# Altium PCB MEGAphone.PcbDoc (part 5 of 5)
Units mm, origin at the board's own origin, x right, y up, seen from the top; angles counter-clockwise.
Board outline 213.75 x 99.74 mm, 4 copper layers (Component Side, Signal Layer 1, Signal Layer 2, Bottom Layer), stack 1.49 mm thick; 321 components, 321 nets, 1903 pads, 1858 vias.
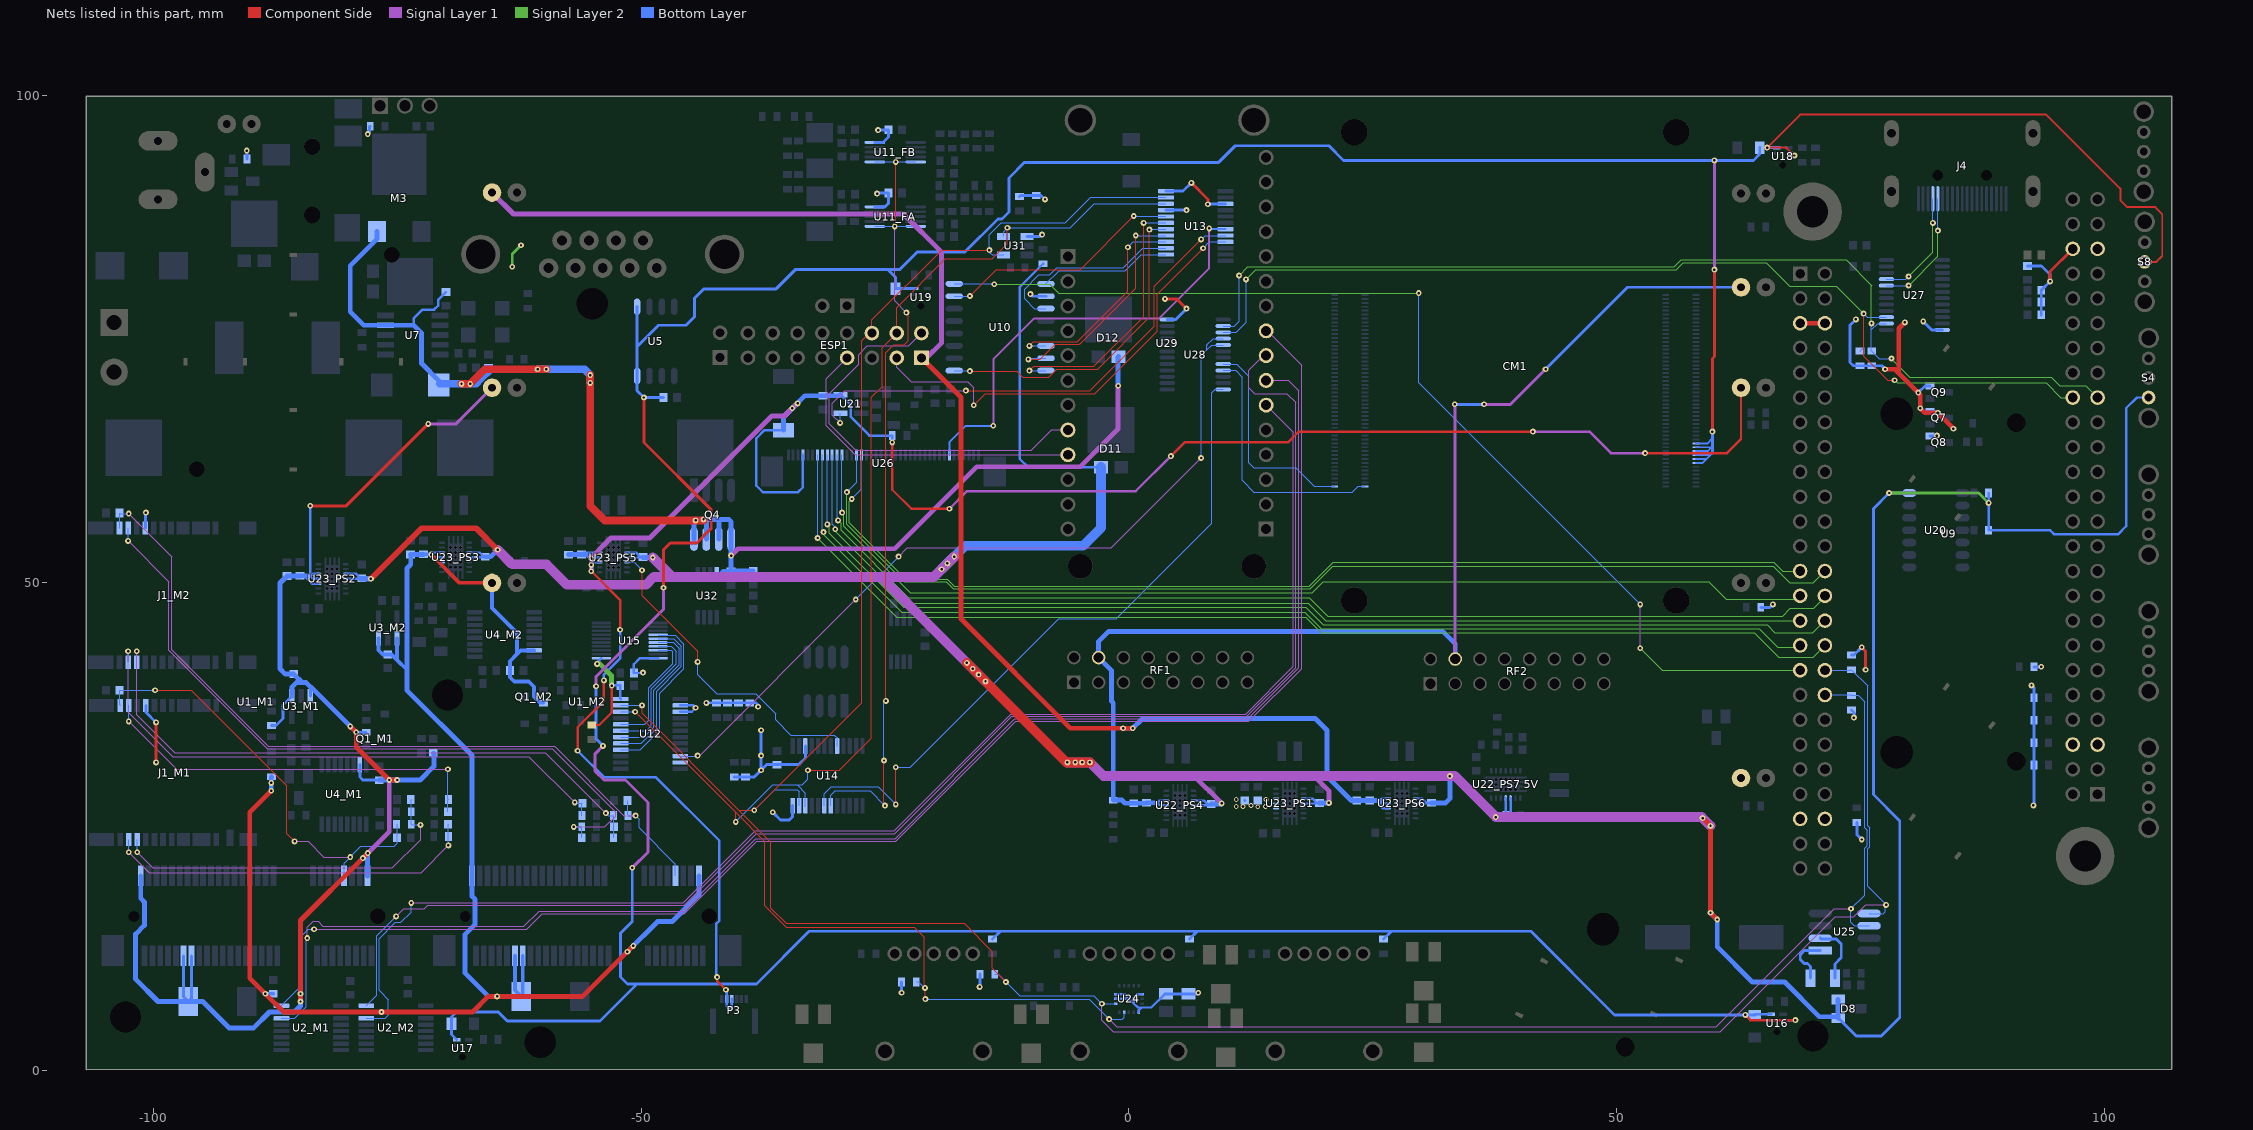
[diagram p7: the nets of this part, all layers, seen from the top]

## Via types
v1: diameter 0.5, hole 0.3, Component Side to Bottom Layer, tented both sides, 1255 vias
v2: diameter 0.6, hole 0.25, Component Side to Bottom Layer, tented both sides, 517 vias
v3: diameter 0.6, hole 0.25, Component Side to Bottom Layer, 61 vias
v4: diameter 0.63, hole 0.33, Component Side to Bottom Layer, 25 vias

## Nets (pads, with @x,y where several pads share a name; then routed paths per layer and width w, separated by ;. In a path a pad name is that pad's centre, name@x,y a point inside that pad or via, vN(x,y) a via of type N, cw(c..) or ccw(c..) an arc to the next point about the centre after c; other vN are vias at no path point) (continued)
NetU9_25B: U9.25B U26.16 | length 109
  Signal Layer 2 w0.127: v2(-28.4,58.6) -28.644,58.355 -28.644,56.145 -22.854,50.354 -18.595,50.354 -17.895,49.654 18.495,49.654 20.941,52.1 66.1,52.1 66.988,51.212 U9.25B@68.79,51.212
  Bottom Layer w0.127: v2(-28.4,58.6) -27.407,59.593 U26.16@-27.407,63.118
NetU9_26B: U9.26B U26.15 | length 112.7
  Signal Layer 2 w0.127: v2(-28.9,59.3) -28.9,56 -23,50.1 -18.7,50.1 -18,49.4 18.6,49.4 20.9,51.7 66.012,51.7 67.712,50 70.118,50 U9.26B@71.33,51.212
  Bottom Layer w0.127: v2(-28.9,59.3) -27.907,60.293 U26.15@-27.907,63.118
NetU9_27B: U9.27B U26.12 | length 109.6
  Signal Layer 2 w0.127: v2(-29.4,57.2) -29.2,57 -29.2,55.8 -22.4,49 18.8,49 19.9,50.1 59.4,50.1 61.2,48.3 68.418,48.3 U9.27B@68.79,48.672
  Bottom Layer w0.127: U26.12@-29.407,63.118 -29.407,57.207 v2(-29.4,57.2)
NetU9_28B: U9.28B U26.11 | length 113.3
  Signal Layer 2 w0.127: v2(-29.8,56.4) -29.5,56.1 -29.5,55.4 -22.6,48.5 18.5,48.5 20.4,46.6 67,46.6 67.8,47.4 70.2,47.4 71.33,48.53 U9.28B@71.33,48.672
  Bottom Layer w0.127: U26.11@-29.907,63.118 -29.907,56.507 v2(-29.8,56.4)
NetU9_29B: U9.29B U26.10 | length 110.6
  Signal Layer 2 w0.127: v2(-30.1,55.5) -30.1,55.3 -22.7,47.9 18.4,47.9 20.168,46.132 U9.29B@68.79,46.132
  Bottom Layer w0.127: U26.10@-30.407,63.118 -30.407,56.007 -30.1,55.7 v2(-30.1,55.5)
NetU9_30B: U9.30B U26.9 | length 114.9
  Signal Layer 2 w0.127: v2(-30.9,56) -30.7,55.8 -30.7,55.1 -23.1,47.5 18.1,47.5 19.9,45.7 65.4,45.7 66.2,44.9 70.098,44.9 U9.30B@71.33,46.132
  Bottom Layer w0.127: U26.9@-30.907,63.118 -30.907,56.007 v2(-30.9,56)
NetU9_31B: U9.31B U26.8 | length 113.1
  Signal Layer 2 w0.127: v2(-31.3,55.2) -31.3,55 -23.3,47 18,47 19.7,45.3 64.6,45.3 66.5,43.4 68.598,43.4 U9.31B@68.79,43.592
  Bottom Layer w0.127: U26.8@-31.407,63.118 -31.407,55.307 v2(-31.3,55.2)
NetU9_32B: U9.32B U26.7 | length 117.3
  Signal Layer 2 w0.127: v2(-31.9,54.6) -23.8,46.5 18.1,46.5 19.7,44.9 64.1,44.9 66.6,42.4 70.138,42.4 U9.32B@71.33,43.592
  Bottom Layer w0.127: U26.7@-31.907,63.118 -31.907,54.607 v2(-31.9,54.6)
NetU10_1: U10.1 U13.14 | length 13.5
  Bottom Layer w0.127: U10.1@-8.5,80.645 -7.145,82 -0.4,82 1.25,83.65 U13.14@3.8,83.65
NetU10_3: U10.3 U13.15 | length 19.9
  Bottom Layer w0.127: U10.3@-8.5,78.105 -9.705,78.105 -10.7,79.1 -10.7,80.1 -9.233,81.567 -8.133,81.567 -7.397,82.303 -0.597,82.303 1.4,84.3 U13.15@3.8,84.3
NetU10_6: U10.6 U13.16 | length 22.7
  Component Side w0.127: v2(-10.2,74.295) -9.795,74.7 -5.3,74.7 -0.1,79.9 v2(-0.1,84.4)
  Bottom Layer w0.127: v2(-10.2,74.295) U10.6@-8.5,74.295 ; v2(-0.1,84.4) 0.45,84.95 U13.16@3.8,84.95
NetU10_7: U10.7 U13.17 | length 24.4
  Component Side w0.127: v2(-10.3,72.9) -9.1,72.9 -7.554,74.446 -5.095,74.446 -5.041,74.5 -4.98,74.5 0.7,80.18 v2(0.7,85.6)
  Bottom Layer w0.127: v2(-10.3,72.9) -10.175,73.025 U10.7@-8.5,73.025 ; v2(0.7,85.6) U13.17@3.8,85.6
NetU10_8: U10.8 U13.19 | length 27.6
  Component Side w0.127: v2(-10.2,71.755) -9.755,72.2 -3.6,72.2 1.5,77.3 v2(1.5,86.9)
  Bottom Layer w0.127: v2(-10.2,71.755) U10.8@-8.5,71.755 ; v2(1.5,86.9) U13.19@3.8,86.9
NetU10_9: U10.9 U13.18 | length 33.5
  Component Side w0.127: v2(-16.3,71.7) -11.5,71.7 -10.9,71.1 -8.2,71.1 -7.4,71.9 -3.2,71.9 2.1,77.2 v2(2.1,86.2)
  Bottom Layer w0.127: U10.9@-17.9,71.755 -16.355,71.755 v2(-16.3,71.7) ; v2(2.1,86.2) 2.15,86.25 U13.18@3.8,86.25
NetU10_15: U10.15 U13.20 | length 25.1
  Component Side w0.127: v2(-16.3,79.4) -13.6,82.1 -5,82.1 v2(0.5,87.6)
  Bottom Layer w0.127: U10.15@-17.9,79.375 -16.325,79.375 v2(-16.3,79.4) ; v2(0.5,87.6) 0.55,87.55 U13.20@3.8,87.55
NetU11_FA_5: U11_FA.5 U11_FA.6 U11_FB.5 U11_FB.6 U14.18 | length 84.1
  Component Side w0.127: v2(-25.1,31.8) -25.1,27.278 v2(-25,27.178) ; v2(-24.907,37.9) -24.907,49.393 -24.9,49.4 -24.9,73.6 -24.1,74.4 -23,74.4 -22.6,74.8 -22.6,77.5 v2(-22.8,77.7) ; v2(-24,86.538) -23.9,86.638 v2(-23.9,93.142)
  Signal Layer 1 w0.127: v2(-24,86.538) -24,78.9 v2(-22.8,77.7)
  Bottom Layer w0.127: U14.18@-30.555,27.178 -30.555,28.245 -30.1,28.7 -26.522,28.7 v2(-25,27.178) ; U11_FA.6@-26.045,86.538 v2(-24,86.538) U11_FA.5@-21.845,86.538 ; U11_FB.6@-26.045,93.142 v2(-23.9,93.142) U11_FB.5@-21.845,93.142 ; v2(-25.1,31.8) -25.1,37.707 v2(-24.907,37.9)
NetU12_10: U12.10 U28.4 U28.5 | length 81.7
  Signal Layer 1 w0.127: v2(-44.2,32.3) -44,32.3 v2(-28,48.3) ; v2(-23.6,52.7) -22.7,53.6 -1.8,53.6 v2(7.4,62.8)
  Bottom Layer w0.127: U12.10@-45.97,32.247 -44.253,32.247 v2(-44.2,32.3) ; v2(-28,48.3) v2(-23.6,52.7) ; v2(7.4,62.8) 7.4,73.3 8,73.9 ; 8.025,74.375 8,74.35 ; U28.5@9.67,74.375 8.475,74.375 8,73.9 ; U28.4@9.67,75.025 8.625,75.025 8,74.4 8,74.35 ; 8,73.9 8,74.35
NetU12_11: U12.11
NetU12_16: U12.16 U15.14 | length 17.7
  Bottom Layer w0.127: U12.16@-52.07,32.897 -50.079,32.897 -48.1,34.876 -48.1,38.7 -45.6,41.2 -45.6,43.73 -46.486,44.617 -48.181,44.617 U15.14@-48.255,44.691
NetU12_17: U12.17 U15.15 | length 16.5
  Bottom Layer w0.127: U12.17@-52.07,33.547 -49.953,33.547 -48.4,35.1 -48.4,38.9 -45.854,41.446 -45.854,43.515 -46.63,44.291 U15.15@-48.255,44.291
NetU12_18: U12.18 U15.16 | length 15.4
  Bottom Layer w0.127: U12.18@-52.07,34.197 -49.703,34.197 -48.7,35.2 -48.7,39 -46.108,41.592 -46.108,43.308 -46.691,43.891 U15.16@-48.255,43.891
NetU12_19: U12.19 U15.17 | length 14.1
  Bottom Layer w0.127: U12.19@-52.07,34.847 -49.453,34.847 -48.954,35.346 -48.954,39.146 -46.4,41.7 -46.4,42.992 -46.899,43.491 U15.17@-48.255,43.491
NetU12_20: U12.20 U15.18 | length 12.6
  Bottom Layer w0.127: U12.20@-52.07,35.497 -49.629,35.497 -49.208,35.918 -49.208,39.251 -46.759,41.7 -46.759,42.951 -46.899,43.091 U15.18@-48.255,43.091
NetU13_7: U13.7 U26.34 | length 45.2
  Signal Layer 1 w0.2: v2(-13.9,66.1) -13.9,72.9 -9.7,77.1 3.1,77.1 8.227,82.227 v3(8.227,86.327)
  Bottom Layer w0.2: U26.34@-18.4,63.125 U26.34@-18.407,63.118 -18.407,64.393 -16.7,66.1 v2(-13.9,66.1) ; v3(8.227,86.327) 8.15,86.25 U13.7@9.9,86.25
NetU13_8: U13.8 U21.4 | length 53.2
  Component Side w0.127: v2(-16.7,69.7) -4,69.7 2.6,76.3 2.6,80.4 v2(7.4,85.2)
  Signal Layer 1 w0.127: v2(-29.6,66.4) -30.4,67.2 -30.4,68.4 -29.1,69.7 v2(-16.7,69.7)
  Bottom Layer w0.127: v2(-29.6,66.4) -29.575,66.425 U21.4@-29.575,67.397 ; v2(7.4,85.2) 7.8,85.6 U13.8@9.9,85.6
NetU14_8: U14.8 U23_PS5.12 | length 33.1
  Component Side w0.127: v2(-49.9,51.3) -49.9,48.7 -44.2,43 v2(-44.2,41.9)
  Bottom Layer w0.127: U23_PS5.12@-51.432,52.1 -50.7,52.1 v2(-49.9,51.3) ; v2(-44.2,41.9) -44.2,40.6 -42.254,38.654 -38.254,38.654 -36.2,36.6 -36.2,35.949 -34.651,34.4 -30.2,34.4 -29.905,34.105 U14.8@-29.905,33.278
NetU14_19: U14.19 U28.12 | length 70.8
  Component Side w0.127: v2(-23.9,27.3) v2(-23.9,31.1)
  Bottom Layer w0.127: U14.19@-31.205,27.178 -31.205,28.395 -30.5,29.1 -25.7,29.1 v2(-23.9,27.3) ; v2(-23.9,31.1) -22.4,31.1 -7.18,46.32 -1.3,46.32 8.5,56.12 8.5,69.5 8.825,69.825 U28.12@9.67,69.825
NetU25_1: U25.1 Y1.2 | length 5.3
  Bottom Layer w0.3: Y1.2@69.85,9.5 69.85,10.7 69.55,11 69.2,11 68.8,11.4 68.8,11.9 69.219,12.319 U25.1@70.851,12.319
NetU25_2: U25.2 Y1.1 | length 6.2
  Bottom Layer w0.3: U25.2@70.851,13.589 70.94,13.5 72.5,13.5 73,13 73,11.6 72.35,10.95 Y1.1@72.35,9.5
RESET_ESP32: ESP1.3 U13.9 | length 46.5
  Component Side w0.127: v2(-15.9,68.2) -14.7,69.4 -3.5,69.4 2.9,75.8 2.9,79.6 v2(7.6,84.3)
  Signal Layer 1 w0.127: ESP1.3@-23.8,73.06 -23.8,72.1 -22.3,70.6 -16.5,70.6 -15.9,70 v2(-15.9,68.2)
  Bottom Layer w0.127: v2(7.6,84.3) 8.25,84.95 U13.9@9.9,84.95
SC_CLK: U9.33B U10.16 | length 111.1
  Signal Layer 1 w0.127: v2(52.4,43.3) v2(52.4,47.8)
  Signal Layer 2 w0.127: v2(-13.8,80.6) -8.1,80.6 -7.2,79.7 v2(29.7,79.7) ; v2(52.4,43.3) 54.648,41.052 U9.33B@68.79,41.052
  Bottom Layer w0.127: U10.16@-17.9,80.645 -13.845,80.645 v2(-13.8,80.6) ; v2(29.7,79.7) 29.7,70.5 v2(52.4,47.8)
SCL: ESP1.4 R13.2 R53.2 U9.36B U12.22 U13.22 U14.22 U24.4 U25.6 U31.5 | length 285.7
  Component Side w0.127: v2(-50.6,36.797) -40.3,26.497 ; v2(-40.3,25.5) -40.3,26.497 ; v2(-32.9,30.8) -29.7,30.8 -26.4,34.1 -26.4,69 -25.3,70.1 -25.3,74.1 ESP1.4@-23.8,75.6 -23.8,78.2 -18.8,83.2 -14,83.2 -12.45,84.75 v2(-12.45,86.4) ; v2(-20.854,7.346) -20.854,8.454 v2(-20.9,8.5) -21,8.6 -21,13.7 -22,14.7 -35.096,14.7 -37.296,16.9 -37.296,23.494 -40.3,26.497
  Signal Layer 1 w0.127: v2(-2.034,5.3) -1.234,4.5 60.2,4.5 72.3,16.6 v2(74,16.6)
  Bottom Layer w0.127: U12.22@-52.07,36.797 v2(-50.6,36.797) ; v2(-40.3,25.5) -36.5,29.3 -34,29.3 ; U14.22@-33.2,27.133 U14.22@-33.155,27.178 -33.155,28.455 -34,29.3 ; v2(-32.9,30.8) -32.9,29.9 -33.5,29.3 -34,29.3 ; R53.2@-21.8,9.1 -21.6,9.1 -21,8.5 v2(-20.9,8.5) ; v2(-20.854,7.346) -4.08,7.346 v2(-2.034,5.3) -0.7,5.3 -0.5,5.5 U24.4@-0.5,6.02 ; U31.5@-12.85,85.506 -12.85,86 v2(-12.45,86.4) -6,86.4 -3.55,88.85 U13.22@3.8,88.85 ; U9.36B@71.33,38.512 73.998,38.512 R13.2@74.041,38.469 74.731,38.469 75.39,37.81 75.39,24.91 75.646,24.654 75.646,23.054 75.39,22.799 75.39,17.99 v2(74,16.6) 74,15.2 74.341,14.859 U25.6@75.851,14.859
SCL_A: R78.1 U9.33A U27.2 U28.2 | length 106.7
  Signal Layer 2 w0.127: v2(11.3,81.5) 12.2,82.4 55.9,82.4 56.6,83.1 73.5,83.1 76.125,80.475 76.1,80.45 v2(76.1,76.6) ; v2(78.15,72.994) 78.15,72.975 80.025,71.1 94.5,71.1 95.4,70.2 98.061,70.2 U9.33A@99.27,68.991
  Bottom Layer w0.127: U28.2@9.67,76.325 10.79,76.325 11.3,76.835 v2(11.3,81.5) ; v2(76.1,76.6) 76.1,76 ; U27.2@77.63,76.575 76.725,76.575 76.125,75.975 76.1,76 ; v2(78.15,72.994) 76.881,72.994 R78.1@76.125,73.75 76.1,73.775 76.1,76
SCL_B: J4.15 U27.8 | length 12.4
  Signal Layer 2 w0.127: v2(79.9,80.475) 82.9,83.475 v2(82.9,86.1)
  Bottom Layer w0.127: U27.8@77.63,80.475 v2(79.9,80.475) ; v2(82.9,86.1) J4.15@82.9,89.365
SCL_RX: CM1.200 U28.8 | length 21.8
  Bottom Layer w0.127: U28.8@9.67,72.425 11.075,72.425 12.3,71.2 12.3,62.3 12.8,61.8 17.1,61.8 19,59.9 CM1.200@21.1,59.9
SDA: ESP1.6 R12.2 R54.2 U9.34B U12.23 U13.23 U14.23 U24.6 U25.5 U31.4 | length 291.2
  Component Side w0.127: v2(-49.9,37.447) -49.9,36.636 -39.964,26.7 ; v2(-14.3,84.1) -19.2,84.1 -26.34,76.96 ESP1.6@-26.34,75.6 -26.6,75.6 -27.4,74.8 -27.4,37.7 v2(-38.4,26.7) -39.964,26.7 ; v2(-12.6,9.1) -14,10.5 -14,12.2 -16.9,15.1 -35.137,15.1 -36.7,16.663 -36.7,23.401 -36.682,23.418 -39.964,26.7
  Signal Layer 1 w0.127: v2(-2.766,6.866) -2.766,5.166 -1.6,4 60.6,4 72.4,15.8 74.3,15.8 75.5,17 v2(77.6,17)
  Bottom Layer w0.127: U12.23@-52.07,37.447 v2(-49.9,37.447) ; v2(-38.4,26.7) -36.3,28.8 -34,28.8 -33.805,28.605 U14.23@-33.805,27.178 ; R54.2@-13.748,9.9 -13.4,9.9 v2(-12.6,9.1) -11.2,7.7 -3.6,7.7 v2(-2.766,6.866) U24.6@-1.346,6.866 ; U31.4@-12.85,83.606 -14.006,83.606 -14.3,83.9 v2(-14.3,84.1) -14.3,85.7 -13.1,86.9 -6.5,86.9 -3.9,89.5 U13.23@3.8,89.5 ; U9.34B@71.33,41.052 73.994,41.052 R12.2@74.041,41.099 75.7,39.44 75.7,25.1 75.9,24.9 75.9,22.949 75.7,22.749 75.7,18.9 v2(77.6,17) 77.509,16.909 77.509,16.31 77.3,16.1 75.88,16.1 U25.5@75.851,16.129
SDA_A: R79.1 U9.34A U27.3 U28.3 | length 107.4
  Component Side w0.127: v2(75.3,77.6) 75.3,73.219 77.751,70.768 v2(78.473,70.768)
  Signal Layer 2 w0.127: v2(12,81.1) 13,82.1 56.1,82.1 56.8,82.8 65.3,82.8 67.7,80.4 72.5,80.4 v2(75.3,77.6) ; v2(78.473,70.768) 78.741,70.5 94,70.5 95.509,68.991 U9.34A@96.73,68.991
  Bottom Layer w0.127: U28.3@9.67,75.675 10.975,75.675 12,76.7 v2(12,81.1) ; R79.1@74.925,73.75 75.3,74.125 v2(75.3,77.6) 75.675,77.225 U27.3@77.63,77.225
SDA_B: J4.16 U27.9 | length 11.4
  Signal Layer 2 w0.127: v2(79.9,81.4) 82.4,83.9 v2(82.4,86.9)
  Bottom Layer w0.127: U27.9@77.63,81.125 79.625,81.125 v2(79.9,81.4) ; v2(82.4,86.9) J4.16@82.4,89.365
SDA_RX: CM1.199 U28.9 | length 26.1
  Bottom Layer w0.127: U28.9@9.67,71.775 10.925,71.775 11.6,71.1 11.6,60.5 12.8,59.3 22.9,59.3 23.5,59.9 CM1.199@24.18,59.9
UART_RX_ESP32: ESP1.7 U29.P2_9 | length 33.8
  Signal Layer 1 w0.127: ESP1.7@-28.88,73.06 -31,70.94 -31,66.1 -28.03,63.13 U29.P2_9@-6.25,63.13
UART_RX_M1: U2_M1.16 U29.P1_9 | length 158
  Signal Layer 1 w0.127: v2(-83.5,14.5) -61.7,14.5 -60.108,16.092 -45.566,16.092 -38.158,23.5 -23.9,23.5 -11.6,35.8 12.3,35.8 17.694,41.194 17.694,72.307 14.171,75.83 U29.P1_9@14.07,75.83
  Bottom Layer w0.127: U2_M1.16@-86.85,6.675 -84.834,8.691 -84.834,13.766 -84.1,14.5 v2(-83.5,14.5)
UART_RX_M2: U2_M2.16 U29.P1_8 | length 150
  Signal Layer 1 w0.127: v2(-75.1,15.817) -74.317,16.6 -72.2,16.6 -71.854,16.946 -45.559,16.946 -38.205,24.3 -24,24.3 -11.992,36.308 12.09,36.308 17.1,41.318 17.1,68.5 16.2,69.4 12.9,69.4 12.3,70 12.3,71.8 13.79,73.29 U29.P1_8@14.07,73.29
  Bottom Layer w0.127: U2_M2.16@-78.15,6.675 -77.1,7.725 -77.1,13.817 v2(-75.1,15.817)
UART_TX_ESP32: ESP1.2 U29.P2_8 | length 42.1
  Signal Layer 1 w0.127: ESP1.2@-21.26,75.6 -22.56,74.3 -26.8,74.3 -27.7,73.4 -27.7,72.4 -30.7,69.4 -30.7,66.3 -28,63.6 -10,63.6 -7.93,65.67 U29.P2_8@-6.25,65.67
UART_TX_M1: U2_M1.14 U29.P1_7 | length 156.5
  Signal Layer 1 w0.127: v2(-84.2,13.6) -84.2,14.7 -83.6,15.3 -83.1,15.3 -82.6,14.8 -62,14.8 -60.454,16.346 -45.672,16.346 -38.218,23.8 -23.959,23.8 -11.705,36.054 12.195,36.054 17.42,41.28 17.42,69.68 16.35,70.75 U29.P1_7@14.07,70.75
  Bottom Layer w0.127: U2_M1.14@-86.85,5.375 -85.5,5.375 -84.3,6.575 -84.3,13.6 v2(-84.2,13.6)
UART_TX_M2: U2_M2.14 U29.P1_6 | length 144.3
  Signal Layer 1 w0.127: v2(-73.545,17.2) -45.691,17.2 -38.291,24.6 -24.059,24.6 -12.097,36.562 11.962,36.562 16.846,41.446 16.846,65.434 U29.P1_6@14.07,68.21
  Bottom Layer w0.127: U2_M2.14@-78.15,5.375 -76.225,5.375 -75.9,5.7 -75.9,7.3 -76.846,8.246 -76.846,13.554 -75.2,15.2 -74.6,15.2 -73.545,16.255 v2(-73.545,17.2)
USIM_CLK_M_M1: C6_M1.1 J1_M1.3 R3_M1.1 | length 38.3
  Signal Layer 1 w0.127: v2(-102.5,22.4) -100.4,20.3 -72.535,20.3 v2(-69.735,23.1)
  Bottom Layer w0.127: J1_M1.3@-102.504,23.692 -102.504,22.404 v2(-102.5,22.4) ; C6_M1.1@-69.785,25.273 -69.735,25.223 R3_M1.1@-69.735,24.003 v2(-69.735,23.1)
USIM_CLK_M_M2: C6_M2.1 J1_M2.3 R3_M2.1 | length 59.1
  Signal Layer 1 w0.127: v2(-102.564,43) -102.564,36.764 -98,32.2 -61.5,32.2 v2(-56.8,27.5)
  Bottom Layer w0.127: J1_M2.3@-102.564,41.867 v2(-102.564,43) ; v2(-56.8,27.5) -56.727,27.427 C6_M2.1@-56.01,27.427 -56.06,27.377 R3_M2.1@-56.06,26.157
USIM_DATA_M_M1: C7_M1.1 J1_M1.4 R1_M1.2 R2_M1.1 | length 37.2
  Signal Layer 1 w0.127: v2(-101.624,22.4) -100.024,20.8 -75.5,20.8 -72.6,23.7 v2(-72.6,25.2)
  Bottom Layer w0.127: v2(-101.624,22.4) J1_M1.4@-101.624,23.692 ; C7_M1.1@-73.595,27.813 -73.545,27.763 R1_M1.2@-73.545,25.269 -73.476,25.2 v2(-72.6,25.2)
USIM_DATA_M_M2: C7_M2.1 J1_M2.4 R1_M2.2 R2_M2.1 | length 63.1
  Signal Layer 1 w0.127: v2(-101.684,43) -101.684,36.484 -97.8,32.6 -59.8,32.6 v2(-53.6,26.4)
  Bottom Layer w0.127: J1_M2.4@-101.684,41.867 v2(-101.684,43) ; v2(-53.6,26.4) -53.357,26.157 R1_M2.2@-52.82,26.157 R2_M2.1@-52.82,23.876
USIM_RST_M_M1: C5_M1.1 J1_M1.23 R4_M1.1 | length 40.8
  Signal Layer 1 w0.127: v2(-102.5,35.8) -97.6,30.9 v2(-69.8,30.9)
  Bottom Layer w0.127: J1_M1.23@-102.504,37.442 -102.504,35.804 v2(-102.5,35.8) ; v2(-69.8,30.9) -69.8,27.878 R4_M1.1@-69.735,27.813 -69.785,27.763 C5_M1.1@-69.785,26.543
USIM_RST_M_M2: C5_M2.1 J1_M2.23 R4_M2.1 | length 74
  Signal Layer 1 w0.127: v2(-102.564,54.3) -98.4,50.136 -98.4,43.1 -88.3,33 -59.1,33 -52.6,26.5 -52.6,26.1 -53.7,25 v2(-56.9,25)
  Bottom Layer w0.127: v2(-102.564,54.3) J1_M2.23@-102.564,55.617 ; v2(-56.9,25) -56.881,25.019 R4_M2.1@-56.076,25.019 -56.076,23.88 C5_M2.1@-56.072,23.876
USIM_VDD_M_M1: C2_M1.1 C8_M1.1 J1_M1.24 R1_M1.1 U1_M1.8 | length 44.7
  Component Side w0.127: v2(-99.8,39) -96.1,39 -86.3,29.2 -86.3,24.3 v2(-85.5,23.5)
  Signal Layer 1 w0.127: v2(-85.5,23.5) -84.1,23.5 -82.5,21.9 v2(-79.8,21.9)
  Bottom Layer w0.127: J1_M1.24@-103.384,37.442 -103.44,37.498 C2_M1.1@-103.44,38.989 -99.811,38.989 v2(-99.8,39) ; U1_M1.8@-80.424,19.978 -80.424,21.276 -78.7,23 -75.3,23 -74.995,23.305 C8_M1.1@-74.995,23.876 -74.995,25.219 R1_M1.1@-75.045,25.269
USIM_VDD_M_M2: C2_M2.1 C8_M2.1 J1_M2.24 R1_M2.1 U1_M2.8 | length 83.1
  Signal Layer 1 w0.127: v2(-102.504,57.1) -98.1,52.696 -98.1,43.159 -88.195,33.254 -58.854,33.254 -51.757,26.157 v2(-50.557,26.157)
  Bottom Layer w0.127: J1_M2.24@-103.444,55.617 -103.44,55.621 C2_M2.1@-103.44,57.15 -103.39,57.1 v2(-102.504,57.1) v2@-102.504,57.124 ; C8_M2.1@-51.382,27.686 -51.382,26.218 R1_M2.1@-51.32,26.157 v2(-50.557,26.157) -50.2,25.8 -50.2,24.9 -46.476,21.176 U1_M2.8@-46.476,19.978
V_Bat: "C40_PS7 5V.1" "U22_PS7 5V.10" "U22_PS7 5V.11" C40_PS4.1 C44_PS1.1 C44_PS2.1 C44_PS3.1 C44_PS5.1 C44_PS6.1 D8.1 D8.2 D11.1 R44.1 R45.1 R63.1 S4.3 U20.14 U22_PS4.10 U22_PS4.11 U23_PS1.10 U23_PS1.11 U23_PS2.10 U23_PS2.11 U23_PS3.10 U23_PS3.11 U23_PS5.10 U23_PS5.11 U23_PS6.10 U23_PS6.11 | length 407.6
  Component Side w0.5: v2(58.8,25.9) v2(59.6,25.1) v2(59.6,16.2) v2(60.3,15.5)
  Component Side w0.6: v2(-77.681,50.419) -72.5,55.6 -66.9,55.6 v2(-64.7,53.4)
  Component Side w1: v2(-16.6,41.8) -6.4,31.6 v2(-4,31.6)
  Signal Layer 1 w0.5: 6.7,30.2 v2(9.5,27.4) ; 19,30.2 20.5,28.7 v2(20.5,27.459)
  Signal Layer 1 w1: v2(-64.7,53.4) -63.2,51.9 -59.7,51.9 -57.6,49.8 -49.5,49.8 -48.7,50.6 -46.8,50.6 ; v2(-48.8,52.6) -46.8,50.6 ; v2(-17.9,52.7) -20,50.6 -25.4,50.6 ; v2(-14.7,39.9) v2(-15.4,40.6) v2(-16.6,41.8) -25.4,50.6 ; v2(-6.3,31.6) v2(-4,31.6) -2.6,30.2 6.7,30.2 19,30.2 v2(32.9,30.2) 33.4,30.2 v2(37.6,26) 58.7,26 v2(59.6,25.1) ; -46.8,50.6 -25.4,50.6
  Signal Layer 2 w0.3: v2(77.91,59.21) 87.09,59.21 v2(88.1,58.2)
  Bottom Layer w0.24: U23_PS2.11@-80.261,50.419 -78.689,50.419 -79.188,50.919 U23_PS2.10@-80.261,50.919 ; U23_PS3.11@-67.6,52.622 C44_PS3.1@-66.027,52.622 ; U23_PS3.10@-67.6,53.122 -66.527,53.122 C44_PS3.1@-66.027,52.622 ; C44_PS3.1@-65.965,52.684 C44_PS3.1@-66.027,52.622 ; U23_PS5.11@-51.432,52.6 -49.86,52.6 C44_PS5.1@-49.797,52.662 -50.07,52.662 -50.508,53.1 U23_PS5.10@-51.432,53.1 ; U22_PS4.11@6.635,27.2 8.295,27.2 C40_PS4.1@8.439,27.345 8.055,27.345 7.7,27.7 U22_PS4.10@6.635,27.7 ; U23_PS1.11@17.883,27.392 19.456,27.392 C44_PS1.1@19.518,27.454 19.246,27.454 18.808,27.892 U23_PS1.10@17.883,27.892 ; U23_PS6.11@29.369,27.397 30.942,27.397 C44_PS6.1@31.004,27.459 30.5,27.459 30.062,27.897 U23_PS6.10@29.369,27.897 ; 38.617,27.948 38.617,26.262 38.703,26.176 39.117,26.59 39.117,27.948